# Allegro board Learn.brd (continued)
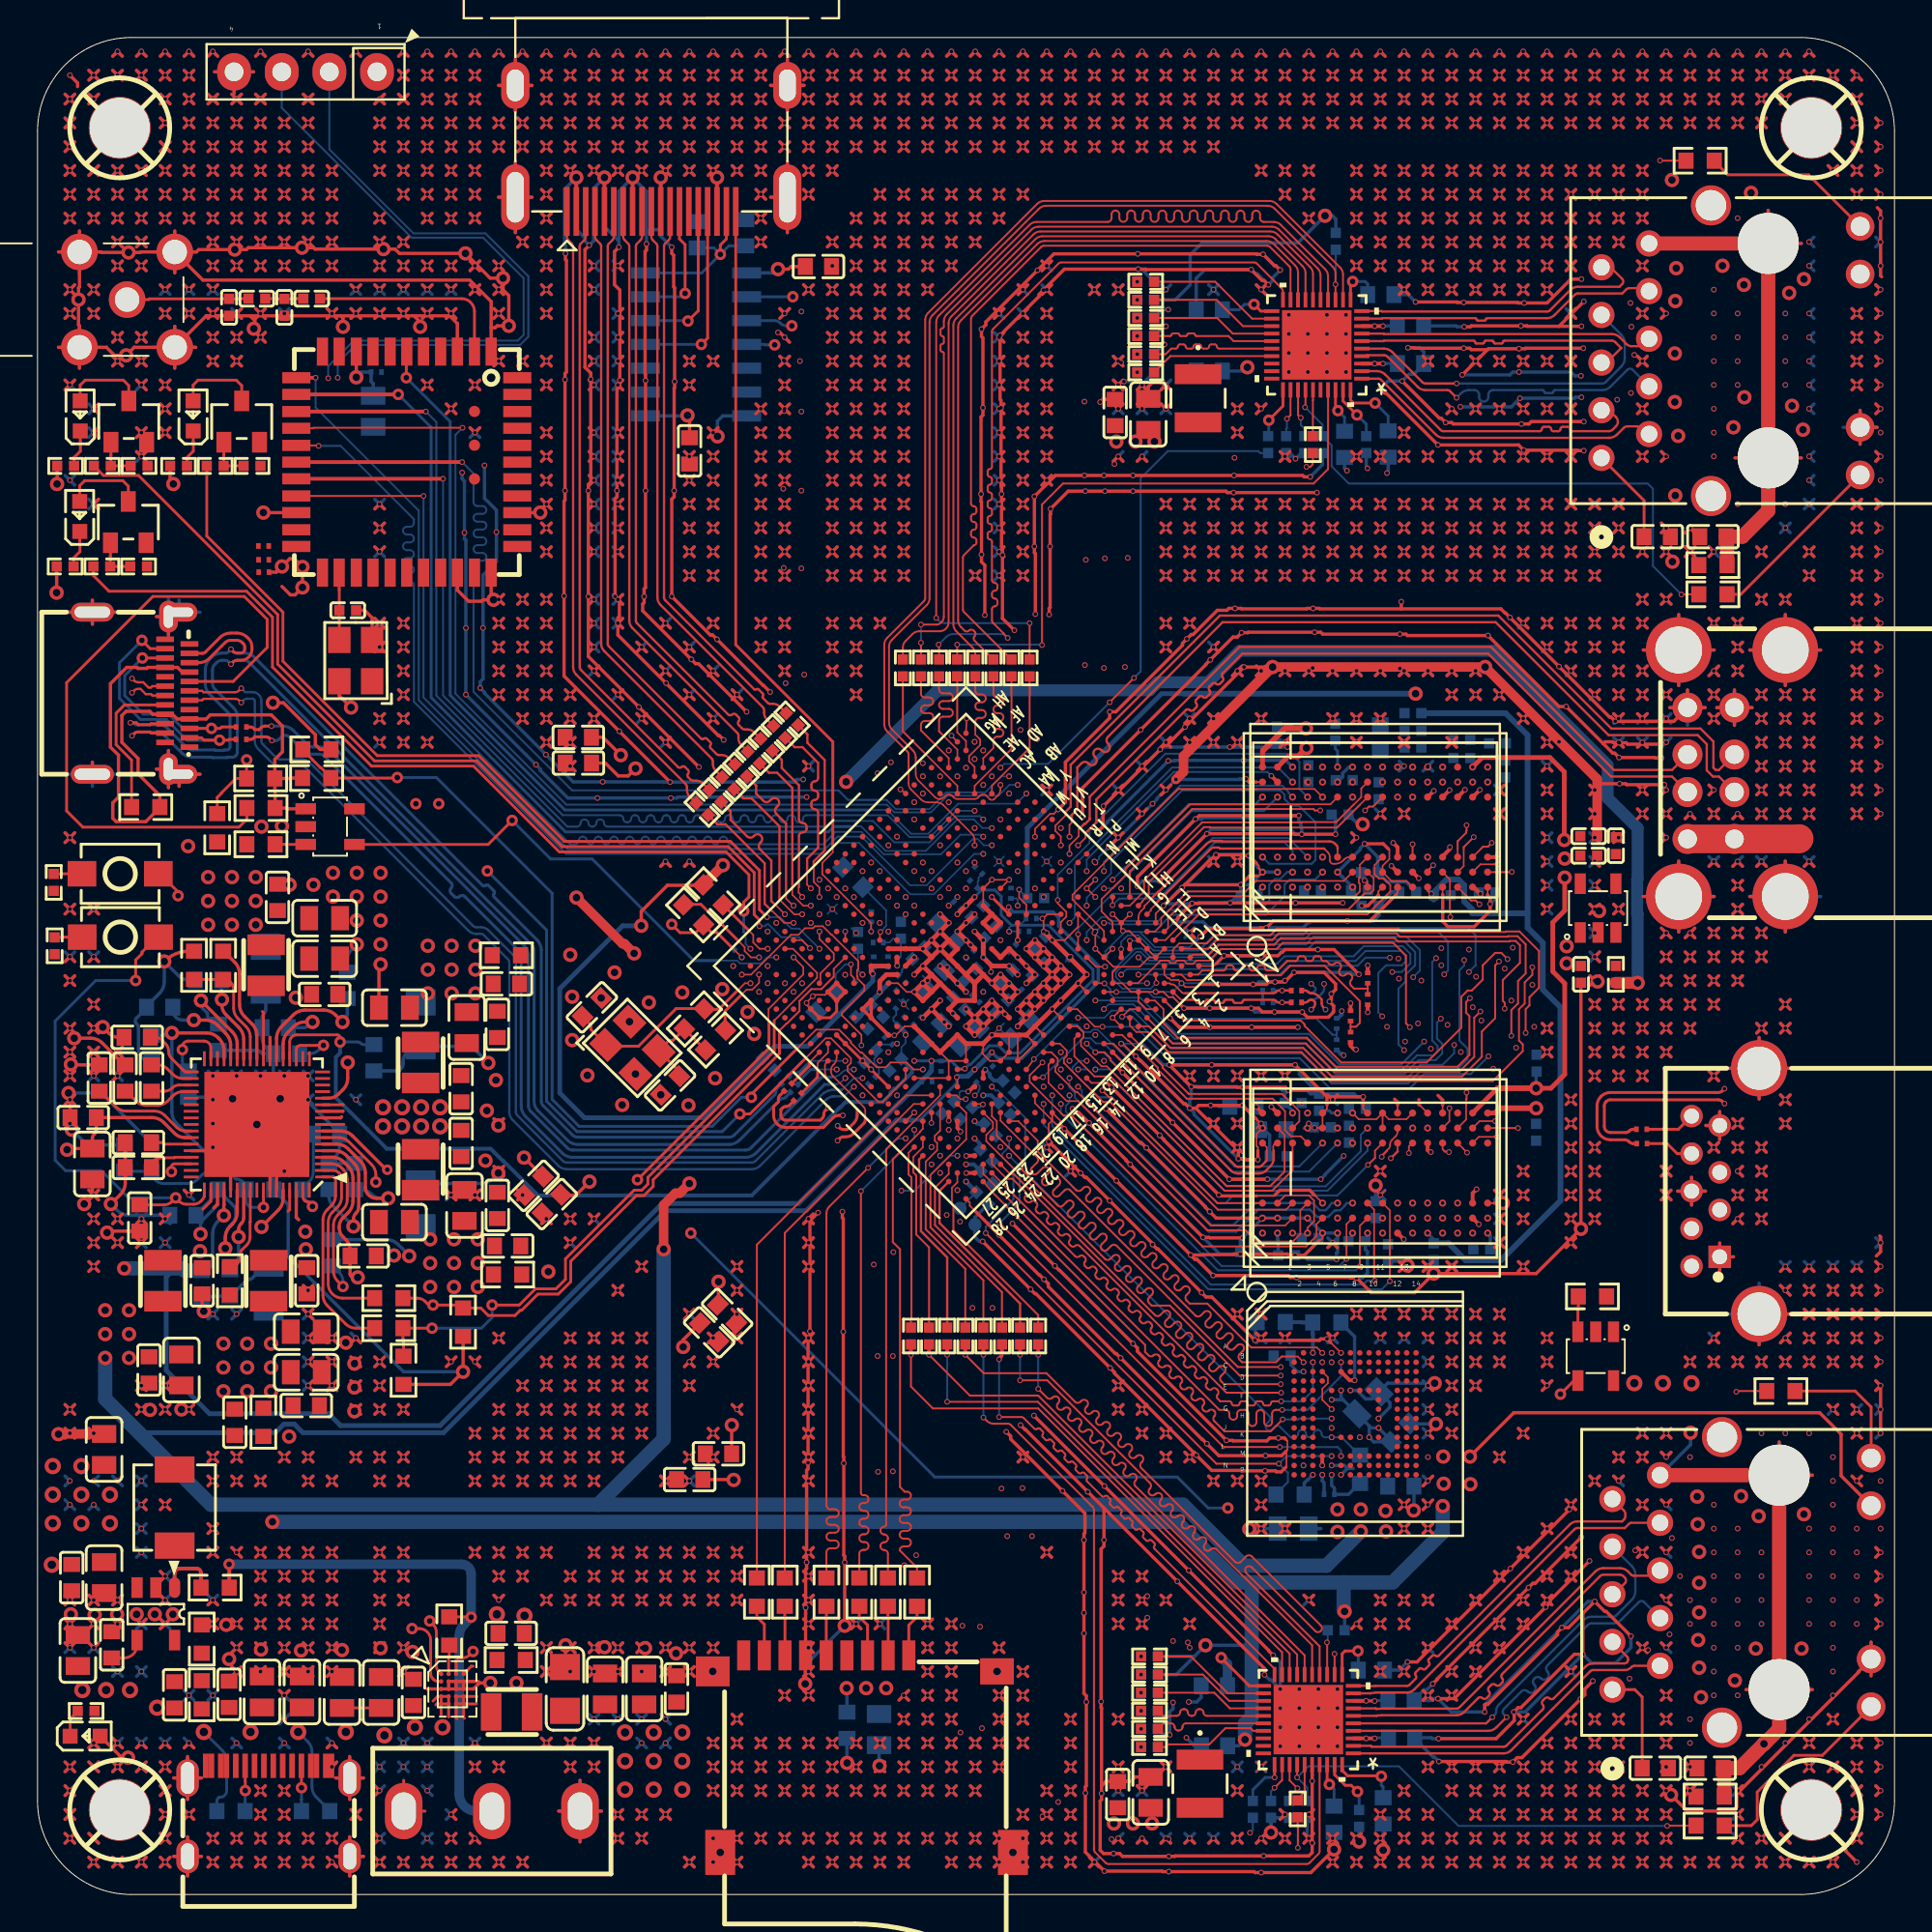
[diagram p0: board, top side]
## Routing (per net, layer and track width the routed paths; a pad name or vN(x,y) marks a point on that pad's centre or on a via; arc(x,y) is an arc through that point) (continued)
; v1(71.57,57.6) 71.83,57.35 ; v1(71.57,57.6) 71.32,57.86 ; v1(71.57,57.6) 71.83,57.86 ; v1(71.57,57.6) 71.32,57.35 ; 52.27,96.72 v1(52.52,96.97) ; v1(52.52,96.97) 52.78,97.23 ; v1(52.52,96.97) 52.27,97.23 ; v1(52.52,96.97) 52.78,96.72 ; v1(69.03,94.43) 69.29,94.18 ; v1(69.03,94.43) 68.78,94.18 ; v1(69.03,94.43) 68.78,94.69 ; v1(69.03,94.43) 69.29,94.69 ; 35.76,13.41 v1(36.01,13.15) ; v1(36.01,13.15) 36.27,12.9 ; v1(36.01,13.15) 36.27,13.41 ; v1(36.01,13.15) 35.76,12.9 ; 62.43,70.56 v1(62.68,70.3) ; v1(62.68,70.3) 62.43,70.05 ; v1(62.68,70.3) 62.94,70.56 ; v1(62.68,70.3) 62.94,70.05 ; 20.52,6.55 v1(20.77,6.8) ; v1(20.77,6.8) 20.52,7.06 ; v1(20.77,6.8) 21.03,6.55 ; v1(20.77,6.8) 21.03,7.06 ; 31.95,26.87 v1(32.2,27.12) ; v1(32.2,27.12) 32.46,26.87 ; v1(32.2,27.12) 32.46,27.38 ; v1(32.2,27.12) 31.95,27.38 ; 25.6,17.98 v1(25.85,18.23) ; v1(25.85,18.23) 26.11,18.49 ; v1(25.85,18.23) 26.11,17.98 ; v1(25.85,18.23) 25.6,18.49 ; v1(74.11,86.81) 74.37,86.56 ; v1(74.11,86.81) 74.37,87.07 ; v1(74.11,86.81) 73.86,86.56 ; v1(74.11,86.81) 73.86,87.07 ; 37.03,31.95 v1(37.28,32.2) ; v1(37.28,32.2) 37.54,31.95 ; v1(37.28,32.2) 37.54,32.46 ; v1(37.28,32.2) 37.03,32.46 ; v1(18.23,28.39) 18.49,28.65 ; v1(18.23,28.39) 18.49,28.14 ; v1(18.23,28.39) 17.98,28.14 ; v1(18.23,28.39) 17.98,28.65 ; 84.02,73.1 v1(84.27,72.84) ; v1(84.27,72.84) 84.53,72.59 ; v1(84.27,72.84) 84.53,73.1 ; v1(84.27,72.84) 84.02,72.59 ; v1(71.57,71.57) 71.83,71.32 ; v1(71.57,71.57) 71.32,71.32 ; v1(71.57,71.57) 71.32,71.83 ; v1(71.57,71.57) 71.83,71.83 ; 4.01,11.63 v1(4.26,11.88) ; v1(4.26,11.88) 4.01,12.14 ; v1(4.26,11.88) 4.52,11.63 ; v1(4.26,11.88) 4.52,12.14 ; v1(37.28,95.7) 37.54,95.45 ; v1(37.28,95.7) 37.03,95.45 ; v1(37.28,95.7) 37.54,95.96 ; v1(37.28,95.7) 37.03,95.96 ; 10.36,81.48 v1(10.61,81.73) ; v1(10.61,81.73) 10.87,81.48 ; v1(10.61,81.73) 10.87,81.99 ; v1(10.61,81.73) 10.36,81.99 ; U21.7 88.17,38.23 ; U21.7 88.17,36.75 ; U21.7 87.43,37.49 ; U21.7 88.91,37.49 ; v1(43.63,75.38) 43.89,75.64 ; v1(43.63,75.38) 43.38,75.64 ; v1(43.63,75.38) 43.38,75.13 ; v1(43.63,75.38) 43.89,75.13 ; v1(46.17,93.16) 46.43,93.42 ; v1(46.17,93.16) 45.92,93.42 ; v1(46.17,93.16) 45.92,92.91 ; v1(46.17,93.16) 46.43,92.91 ; v1(43.63,71.57) 43.89,71.83 ; v1(43.63,71.57) 43.38,71.32 ; v1(43.63,71.57) 43.38,71.83 ; v1(43.63,71.57) 43.89,71.32 ; 52.27,76.4 v1(52.52,76.65) ; v1(52.52,76.65) 52.27,76.91 ; v1(52.52,76.65) 52.78,76.4 ; v1(52.52,76.65) 52.78,76.91 ; v1(29.66,9.34) 29.92,9.6 ; v1(29.66,9.34) 29.92,9.09 ; v1(29.66,9.34) 29.41,9.09 ; v1(29.66,9.34) 29.41,9.6 ; v1(51.25,71.57) 51.51,71.32 ; v1(51.25,71.57) 51,71.32 ; v1(51.25,71.57) 51.51,71.83 ; v1(51.25,71.57) 51,71.83 ; 73.86,89.1 v1(74.11,89.35) ; v1(74.11,89.35) 74.37,89.1 ; v1(74.11,89.35) 74.37,89.61 ; v1(74.11,89.35) 73.86,89.61 ; 72.59,70.56 v1(72.84,70.3) ; v1(72.84,70.3) 73.1,70.56 ; v1(72.84,70.3) 72.59,70.05 ; v1(72.84,70.3) 73.1,70.05 ; 6.55,4.52 v1(6.8,4.26) ; v1(6.8,4.26) 7.06,4.52 ; v1(6.8,4.26) 6.55,4.01 ; v1(6.8,4.26) 7.06,4.01 ; 72.59,4.01 v1(72.84,4.26) ; v1(72.84,4.26) 72.59,4.52 ; v1(72.84,4.26) 73.1,4.01 ; v1(72.84,4.26) 73.1,4.52 ; v1(90.62,41.09) 90.88,40.84 ; v1(90.62,41.09) 90.88,41.35 ; v1(90.62,41.09) 90.37,40.84 ; v1(90.62,41.09) 90.37,41.35 ; v1(77.92,13.15) 78.18,12.9 ; v1(77.92,13.15) 77.67,12.9 ; v1(77.92,13.15) 77.67,13.41 ; v1(77.92,13.15) 78.18,13.41 ; v1(18.23,61.41) 18.49,61.67 ; v1(18.23,61.41) 18.49,61.16 ; v1(18.23,61.41) 17.98,61.16 ; v1(18.23,61.41) 17.98,61.67 ; v1(72.84,85.54) 73.1,85.29 ; v1(72.84,85.54) 72.59,85.29 ; v1(72.84,85.54) 72.59,85.8 ; v1(72.84,85.54) 73.1,85.8 ; 11.63,12.14 v1(11.88,11.88) ; v1(11.88,11.88) 12.14,12.14 ; v1(11.88,11.88) 12.14,11.63 ; v1(11.88,11.88) 11.63,11.63 ; v1(77.92,37.28) 78.18,37.03 ; v1(77.92,37.28) 78.18,37.54 ; v1(77.92,37.28) 77.67,37.54 ; v1(77.92,37.28) 77.67,37.03 ; 12.9,15.44 v1(13.15,15.69) ; v1(13.15,15.69) 13.41,15.95 ; v1(13.15,15.69) 12.9,15.95 ; v1(13.15,15.69) 13.41,15.44 ; v1(98.24,71.57) 98.5,71.32 ; v1(98.24,71.57) 98.5,71.83 ; v1(98.24,71.57) 97.99,71.32 ; v1(98.24,71.57) 97.99,71.83 ; 21.79,95.96 v1(22.04,95.7) ; v1(22.04,95.7) 22.3,95.96 ; v1(22.04,95.7) 22.3,95.45 ; v1(22.04,95.7) 21.79,95.45 ; 20.52,5.28 v1(20.77,5.53) ; v1(20.77,5.53) 20.52,5.79 ; v1(20.77,5.53) 21.03,5.28 ; v1(20.77,5.53) 21.03,5.79 ; 39.57,83.26 v1(39.82,83) 40.08,82.75 ; 5.28,97.23 v1(5.53,96.97) ; v1(5.53,96.97) 5.79,97.23 ; v1(5.53,96.97) 5.79,96.72 ; v1(5.53,96.97) 5.28,96.72 ; v1(37.28,1.72) 37.54,1.98 ; v1(37.28,1.72) 37.03,1.98 ; v1(37.28,1.72) 37.03,1.47 ; v1(37.28,1.72) 37.54,1.47 ; 82.75,97.99 v1(83,98.24) ; v1(83,98.24) 82.75,98.5 ; v1(83,98.24) 83.26,97.99 ; v1(83,98.24) 83.26,98.5 ; 63.7,3.25 v1(63.95,2.99) ; v1(63.95,2.99) 64.21,3.25 ; v1(63.95,2.99) 63.7,2.74 ; v1(63.95,2.99) 64.21,2.74 ; 62.43,71.32 v1(62.68,71.57) ; v1(62.68,71.57) 62.94,71.83 ; v1(62.68,71.57) 62.43,71.83 ; v1(62.68,71.57) 62.94,71.32 ; v1(4.26,98.24) 4.52,97.99 ; v1(4.26,98.24) 4.52,98.5 ; v1(4.26,98.24) 4.01,97.99 ; v1(37.28,94.43) 37.54,94.18 ; v1(37.28,94.43) 37.54,94.69 ; v1(37.28,94.43) 37.03,94.69 ; v1(37.28,94.43) 37.03,94.18 ; v1(27.12,84.27) 27.38,84.53 ; v1(27.12,84.27) 26.87,84.02 ; v1(27.12,84.27) 26.87,84.53 ; v1(27.12,84.27) 27.38,84.02 ; v1(81.73,18.23) 81.99,17.98 ; v1(81.73,18.23) 81.48,18.49 ; v1(81.73,18.23) 81.48,17.98 ; v1(81.73,18.23) 81.99,18.49 ; 80.21,76.4 v1(80.46,76.65) ; v1(80.46,76.65) 80.21,76.91 ; v1(80.46,76.65) 80.72,76.91 ; v1(80.46,76.65) 80.72,76.4 ; v1(84.27,1.72) 84.53,1.47 ; v1(84.27,1.72) 84.02,1.47 ; v1(84.27,1.72) 84.02,1.98 ; v1(84.27,1.72) 84.53,1.98 ; v1(63.95,74.11) 64.21,73.86 ; v1(63.95,74.11) 63.7,74.37 ; v1(63.95,74.11) 64.21,74.37 ; v1(63.95,74.11) 63.7,73.86 ; 5.28,80.72 v1(5.53,80.46) ; v1(5.53,80.46) 5.28,80.21 ; v1(5.53,80.46) 5.79,80.72 ; v1(5.53,80.46) 5.79,80.21 ; 62.43,74.37 v1(62.68,74.11) ; v1(62.68,74.11) 62.94,73.86 ; v1(62.68,74.11) 62.94,74.37 ; v1(62.68,74.11) 62.43,73.86 ; 84.02,43.89 v1(84.27,43.63) ; v1(84.27,43.63) 84.53,43.38 ; v1(84.27,43.63) 84.02,43.38 ; v1(84.27,43.63) 84.53,43.89 ; 44.65,73.1 v1(44.9,72.84) ; v1(44.9,72.84) 45.16,72.59 ; v1(44.9,72.84) 44.65,72.59 ; v1(44.9,72.84) 45.16,73.1 ; v1(77.92,57.6) 78.18,57.35 ; v1(77.92,57.6) 77.67,57.35 ; v1(77.92,57.6) 78.18,57.86 ; v1(77.92,57.6) 77.67,57.86 ; 30.68,26.87 v1(30.93,27.12) ; v1(30.93,27.12) 30.68,27.38 ; v1(30.93,27.12) 31.19,26.87 ; v1(30.93,27.12) 31.19,27.38 ; 17.98,84.53 v1(18.23,84.27) ; v1(18.23,84.27) 18.49,84.02 ; v1(18.23,84.27) 17.98,84.02 ; v1(18.23,84.27) 18.49,84.53 ; v1(76.65,90.62) 76.91,90.88 ; v1(76.65,90.62) 76.4,90.88 ; v1(76.65,90.62) 76.4,90.37 ; v1(76.65,90.62) 76.91,90.37 ; 86.56,17.98 v1(86.81,18.23) ; v1(86.81,18.23) 87.07,18.49 ; v1(86.81,18.23) 87.07,17.98 ; v1(86.81,18.23) 86.56,18.49 ; 42.11,71.83 v1(42.36,71.57) ; v1(42.36,71.57) 42.62,71.32 ; v1(42.36,71.57) 42.62,71.83 ; v1(42.36,71.57) 42.11,71.32 ; v1(53.79,2.99) 54.05,2.74 ; v1(53.79,2.99) 53.54,3.25 ; v1(53.79,2.99) 53.54,2.74 ; v1(53.79,2.99) 54.05,3.25 ; 58.62,97.23 v1(58.87,96.97) ; v1(58.87,96.97) 59.13,96.72 ; v1(58.87,96.97) 59.13,97.23 ; v1(58.87,96.97) 58.62,96.72 ; v1(70.3,2.99) 70.56,2.74 ; v1(70.3,2.99) 70.56,3.25 ; v1(70.3,2.99) 70.05,2.74 ; v1(70.3,2.99) 70.05,3.25 ; 23.06,37.54 v1(23.31,37.28) ; v1(23.31,37.28) 23.57,37.03 ; v1(23.31,37.28) 23.57,37.54 ; v1(23.31,37.28) 23.06,37.03 ; 17.98,68.02 v1(18.23,67.76) ; v1(18.23,67.76) 18.49,68.02 ; v1(18.23,67.76) 17.98,67.51 ; v1(18.23,67.76) 18.49,67.51 ; v1(85.54,86.81) 85.8,86.56 ; v1(85.54,86.81) 85.29,86.56 ; v1(85.54,86.81) 85.8,87.07 ; v1(85.54,86.81) 85.29,87.07 ; 80.21,19.76 v1(80.46,19.5) ; v1(80.46,19.5) 80.72,19.76 ; v1(80.46,19.5) 80.21,19.25 ; v1(80.46,19.5) 80.72,19.25 ; 81.48,6.55 v1(81.73,6.8) ; v1(81.73,6.8) 81.48,7.06 ; v1(81.73,6.8) 81.99,7.06 ; v1(81.73,6.8) 81.99,6.55 ; 66.24,73.1 v1(66.49,72.84) ; v1(66.49,72.84) 66.24,72.59 ; v1(66.49,72.84) 66.75,72.59 ; v1(66.49,72.84) 66.75,73.1 ; v1(36.01,5.53) 36.27,5.79 ; v1(36.01,5.53) 36.27,5.28 ; v1(36.01,5.53) 35.76,5.28 ; v1(36.01,5.53) 35.76,5.79 ; 96.72,84.53 v1(96.97,84.27) ; v1(96.97,84.27) 97.23,84.02 ; v1(96.97,84.27) 96.72,84.02 ; v1(96.97,84.27) 97.23,84.53 ; 30.68,17.22 v1(30.93,16.96) ; v1(30.93,16.96) 31.19,16.71 ; v1(30.93,16.96) 30.68,16.71 ; v1(30.93,16.96) 31.19,17.22 ; 78.94,78.94 v1(79.19,79.19) ; v1(79.19,79.19) 79.45,78.94 ; v1(79.19,79.19) 79.45,79.45 ; v1(79.19,79.19) 78.94,79.45 ; 85.29,94.18 v1(85.54,94.43) ; v1(85.54,94.43) 85.8,94.69 ; v1(85.54,94.43) 85.29,94.69 ; v1(85.54,94.43) 85.8,94.18 ; 97.99,32.46 v1(98.24,32.2) ; v1(98.24,32.2) 97.99,31.95 ; v1(98.24,32.2) 98.5,32.46 ; v1(98.24,32.2) 98.5,31.95 ; 77.67,73.1 v1(77.92,72.84) ; v1(77.92,72.84) 78.18,73.1 ; v1(77.92,72.84) 77.67,72.59 ; v1(77.92,72.84) 78.18,72.59 ; 17.98,5.79 v1(18.23,5.53) ; v1(18.23,5.53) 18.49,5.28 ; v1(18.23,5.53) 18.49,5.79 ; v1(18.23,5.53) 17.98,5.28 ; v1(48.71,11.88) 48.97,11.63 ; v1(48.71,11.88) 48.97,12.14 ; v1(48.71,11.88) 48.46,12.14 ; v1(48.71,11.88) 48.46,11.63 ; v1(91.89,62.68) 92.15,62.43 ; v1(91.89,62.68) 91.64,62.43 ; v1(91.89,62.68) 92.15,62.94 ; v1(91.89,62.68) 91.64,62.94 ; v1(58.87,98.24) 59.13,98.5 ; v1(58.87,98.24) 58.62,97.99 ; v1(58.87,98.24) 59.13,97.99 ; v1(58.87,98.24) 58.62,98.5 ; 57.35,2.74 v1(57.6,2.99) ; v1(57.6,2.99) 57.86,3.25 ; v1(57.6,2.99) 57.86,2.74 ; 95.45,33.22 v1(95.7,33.47) ; v1(95.7,33.47) 95.96,33.22 ; v1(95.7,33.47) 95.96,33.73 ; v1(95.7,33.47) 95.45,33.73 ; v1(36.01,1.72) 36.27,1.47 ; v1(36.01,1.72) 35.76,1.98 ; v1(36.01,1.72) 35.76,1.47 ; v1(36.01,1.72) 36.27,1.98 ; 35.76,71.83 v1(36.01,71.57) ; v1(36.01,71.57) 35.76,71.32 ; v1(36.01,71.57) 36.27,71.83 ; v1(36.01,71.57) 36.27,71.32 ; v1(9.34,41.09) 9.6,40.84 ; v1(9.34,41.09) 9.6,41.35 ; v1(9.34,41.09) 9.09,40.84 ; v1(9.34,41.09) 9.09,41.35 ; v1(85.54,71.57) 85.8,71.83 ; v1(85.54,71.57) 85.8,71.32 ; v1(85.54,71.57) 85.29,71.32 ; v1(85.54,71.57) 85.29,71.83 ; v1(51.25,84.27) 51.51,84.53 ; v1(51.25,84.27) 51,84.53 ; v1(51.25,84.27) 51.51,84.02 ; v1(51.25,84.27) 51,84.02 ; v1(24.58,16.96) 24.84,17.22 ; v1(24.58,16.96) 24.84,16.71 ; v1(24.58,16.96) 24.33,17.22 ; v1(24.58,16.96) 24.33,16.71 ; 82.75,21.79 v1(83,22.04) ; v1(83,22.04) 83.26,22.3 ; v1(83,22.04) 82.75,22.3 ; v1(83,22.04) 83.26,21.79 ; v1(32.2,62.68) 32.46,62.43 ; v1(32.2,62.68) 31.95,62.43 ; v1(32.2,62.68) 32.46,62.94 ; v1(32.2,62.68) 31.95,62.94 ; U22.1 2.24,83.59 ; U22.1 2.24,81.36 ; U22.1 3.35,82.47 ; U22.1 1.12,82.47 ; v1(24.58,85.54) 24.84,85.29 ; v1(24.58,85.54) 24.84,85.8 ; v1(24.58,85.54) 24.33,85.29 ; v1(24.58,85.54) 24.33,85.8 ; 1.47,56.08 v1(1.72,56.33) ; v1(1.72,56.33) 1.98,56.59 ; v1(1.72,56.33) 1.47,56.59 ; v1(1.72,56.33) 1.98,56.08 ; 68.78,71.32 v1(69.03,71.57) ; v1(69.03,71.57) 69.29,71.32 ; v1(69.03,71.57) 69.29,71.83 ; v1(69.03,71.57) 68.78,71.83 ; v1(69.03,42.36) 69.29,42.62 ; v1(69.03,42.36) 68.78,42.11 ; v1(69.03,42.36) 69.29,42.11 ; v1(69.03,42.36) 68.78,42.62 ; v1(33.47,22.04) 33.73,22.3 ; v1(33.47,22.04) 33.22,22.3 ; v1(33.47,22.04) 33.22,21.79 ; v1(33.47,22.04) 33.73,21.79 ; v1(63.95,43.63) 64.21,43.38 ; v1(63.95,43.63) 63.7,43.89 ; v1(63.95,43.63) 64.21,43.89 ; v1(63.95,43.63) 63.7,43.38 ; v1(5.53,25.85) 5.79,25.6 ; v1(5.53,25.85) 5.79,26.11 ; v1(5.53,25.85) 5.28,26.11 ; v1(5.53,25.85) 5.28,25.6 ; 72.59,20.52 v1(72.84,20.77) ; v1(72.84,20.77) 72.59,21.03 ; v1(72.84,20.77) 73.1,20.52 ; v1(72.84,20.77) 73.1,21.03 ; 84.02,45.16 v1(84.27,44.9) ; v1(84.27,44.9) 84.02,44.65 ; v1(84.27,44.9) 84.53,45.16 ; v1(84.27,44.9) 84.53,44.65 ; 39.57,72.59 v1(39.82,72.84) ; v1(39.82,72.84) 40.08,72.59 ; v1(39.82,72.84) 40.08,73.1 ; v1(39.82,72.84) 39.57,73.1 ; v1(43.63,80.46) 43.89,80.72 ; v1(43.63,80.46) 43.38,80.21 ; v1(43.63,80.46) 43.89,80.21 ; v1(43.63,80.46) 43.38,80.72 ; 9.09,90.37 v1(9.34,90.62) ; v1(9.34,90.62) 9.09,90.88 ; v1(9.34,90.62) 9.6,90.88 ; v1(9.34,90.62) 9.6,90.37 ; v1(80.46,72.84) 80.72,73.1 ; v1(80.46,72.84) 80.21,72.59 ; v1(80.46,72.84) 80.72,72.59 ; v1(80.46,72.84) 80.21,73.1 ; 67.51,95.45 v1(67.76,95.7) ; v1(67.76,95.7) 68.02,95.45 ; v1(67.76,95.7) 68.02,95.96 ; v1(67.76,95.7) 67.51,95.96 ; 21.79,97.99 v1(22.04,98.24) ; v1(22.04,98.24) 21.79,98.5 ; v1(22.04,98.24) 22.3,97.99 ; v1(22.04,98.24) 22.3,98.5 ; 16.71,26.11 v1(16.96,25.85) ; v1(16.96,25.85) 17.22,25.6 ; v1(16.96,25.85) 16.71,25.6 ; v1(16.96,25.85) 17.22,26.11 ; v1(84.27,71.57) 84.53,71.32 ; v1(84.27,71.57) 84.02,71.83 ; v1(84.27,71.57) 84.53,71.83 ; v1(84.27,71.57) 84.02,71.32 ; v1(41.09,14.42) 41.35,14.68 ; v1(41.09,14.42) 40.84,14.17 ; v1(41.09,14.42) 40.84,14.68 ; v1(41.09,14.42) 41.35,14.17 ; v1(91.89,71.57) 92.15,71.32 ; v1(91.89,71.57) 92.15,71.83 ; v1(91.89,71.57) 91.64,71.32 ; v1(91.89,71.57) 91.64,71.83 ; 44.65,94.18 v1(44.9,94.43) ; v1(44.9,94.43) 45.16,94.18 ; v1(44.9,94.43) 44.65,94.69 ; v1(44.9,94.43) 45.16,94.69 ; v1(75.38,81.73) 75.64,81.48 ; v1(75.38,81.73) 75.13,81.99 ; v1(75.38,81.73) 75.13,81.48 ; v1(75.38,81.73) 75.64,81.99 ; 72.59,88.34 v1(72.84,88.08) ; v1(72.84,88.08) 73.1,88.34 ; v1(72.84,88.08) 72.59,87.83 ; v1(72.84,88.08) 73.1,87.83 ; v1(67.76,98.24) 68.02,97.99 ; v1(67.76,98.24) 67.51,97.99 ; v1(67.76,98.24) 68.02,98.5 ; v1(67.76,98.24) 67.51,98.5 ; v1(76.65,95.7) 76.91,95.45 ; v1(76.65,95.7) 76.4,95.96 ; v1(76.65,95.7) 76.4,95.45 ; v1(76.65,95.7) 76.91,95.96 ; v1(38.55,89.35) 38.81,89.61 ; v1(38.55,89.35) 38.3,89.1 ; v1(38.55,89.35) 38.81,89.1 ; v1(38.55,89.35) 38.3,89.61 ; 56.08,93.42 v1(56.33,93.16) ; v1(56.33,93.16) 56.59,92.91 ; v1(56.33,93.16) 56.08,92.91 ; v1(56.33,93.16) 56.59,93.42 ; 30.68,77.67 v1(30.93,77.92) ; v1(30.93,77.92) 31.19,77.67 ; v1(30.93,77.92) 31.19,78.18 ; v1(30.93,77.92) 30.68,78.18 ; v1(29.66,25.85) 29.92,26.11 ; v1(29.66,25.85) 29.41,26.11 ; v1(29.66,25.85) 29.41,25.6 ; v1(29.66,25.85) 29.92,25.6 ; 11.63,14.17 v1(11.88,14.42) ; v1(11.88,14.42) 12.14,14.17 ; v1(11.88,14.42) 12.14,14.68 ; v1(11.88,14.42) 11.63,14.68 ; v1(77.92,6.8) 78.18,7.06 ; v1(77.92,6.8) 77.67,6.55 ; v1(77.92,6.8) 77.67,7.06 ; v1(77.92,6.8) 78.18,6.55 ; v1(83,48.71) 83.26,48.46 ; v1(83,48.71) 82.75,48.97 ; v1(83,48.71) 83.26,48.97 ; v1(83,48.71) 82.75,48.46 ; 77.67,29.41 v1(77.92,29.66) ; v1(77.92,29.66) 78.18,29.41 ; v1(77.92,29.66) 78.18,29.92 ; v1(77.92,29.66) 77.67,29.92 ; 24.33,38.3 v1(24.58,38.55) ; v1(24.58,38.55) 24.84,38.3 ; v1(24.58,38.55) 24.33,38.81 ; v1(24.58,38.55) 24.84,38.81 ; 80.21,71.83 v1(80.46,71.57) ; v1(80.46,71.57) 80.72,71.32 ; v1(80.46,71.57) 80.21,71.32 ; v1(80.46,71.57) 80.72,71.83 ; v1(52.52,2.99) 52.78,3.25 ; v1(52.52,2.99) 52.27,2.74 ; v1(52.52,2.99) 52.27,3.25 ; v1(52.52,2.99) 52.78,2.74 ; 44.65,89.1 v1(44.9,89.35) ; v1(44.9,89.35) 44.65,89.61 ; v1(44.9,89.35) 45.16,89.61 ; v1(44.9,89.35) 45.16,89.1 ; v1(34.74,80.46) 35,80.72 ; v1(34.74,80.46) 35,80.21 ; v1(34.74,80.46) 34.49,80.72 ; v1(34.74,80.46) 34.49,80.21 ; 57.35,79.45 v1(57.6,79.19) ; v1(57.6,79.19) 57.35,78.94 ; v1(57.6,79.19) 57.86,79.45 ; v1(57.6,79.19) 57.86,78.94 ; 86.56,48.97 v1(86.81,48.71) ; v1(86.81,48.71) 87.07,48.97 ; v1(86.81,48.71) 87.07,48.46 ; v1(86.81,48.71) 86.56,48.46 ; v1(77.92,5.53) 78.18,5.79 ; v1(77.92,5.53) 78.18,5.28 ; v1(77.92,5.53) 77.67,5.28 ; v1(77.92,5.53) 77.67,5.79 ; 7.82,85.29 v1(8.07,85.54) ; v1(8.07,85.54) 8.33,85.8 ; v1(8.07,85.54) 7.82,85.8 ; v1(8.07,85.54) 8.33,85.29 ; v1(41.09,10.61) 41.35,10.36 ; v1(41.09,10.61) 40.84,10.36 ; v1(41.09,10.61) 40.84,10.87 ; v1(41.09,10.61) 41.35,10.87 ; v1(47.44,9.34) 47.7,9.6 ; v1(47.44,9.34) 47.7,9.09 ; v1(47.44,9.34) 47.19,9.6 ; v1(47.44,9.34) 47.19,9.09 ; v1(25.85,98.24) 26.11,98.5 ; v1(25.85,98.24) 26.11,97.99 ; v1(25.85,98.24) 25.6,97.99 ; v1(25.85,98.24) 25.6,98.5 ; 42.11,95.96 v1(42.36,95.7) ; v1(42.36,95.7) 42.62,95.45 ; v1(42.36,95.7) 42.62,95.96 ; v1(42.36,95.7) 42.11,95.45 ; v1(36.01,62.68) 36.27,62.94 ; v1(36.01,62.68) 36.27,62.43 ; v1(36.01,62.68) 35.76,62.94 ; v1(36.01,62.68) 35.76,62.43 ; v1(42.36,8.07) 42.62,7.82 ; v1(42.36,8.07) 42.62,8.33 ; v1(42.36,8.07) 42.11,7.82 ; v1(42.36,8.07) 42.11,8.33 ; 90.13,30.94 U21.10 ; U21.10 93.41,30.94 ; U21.10 91.77,29.3 ; U21.10 91.77,32.58 ; 75.13,95.45 v1(75.38,95.7) ; v1(75.38,95.7) 75.13,95.96 ; v1(75.38,95.7) 75.64,95.96 ; v1(75.38,95.7) 75.64,95.45 ; v1(71.57,2.99) 71.83,2.74 ; v1(71.57,2.99) 71.32,2.74 ; v1(71.57,2.99) 71.32,3.25 ; v1(71.57,2.99) 71.83,3.25 ; 23.06,21.79 v1(23.31,22.04) ; v1(23.31,22.04) 23.57,21.79 ; v1(23.31,22.04) 23.57,22.3 ; v1(23.31,22.04) 23.06,22.3 ; 4.01,43.89 v1(4.26,43.63) ; v1(4.26,43.63) 4.52,43.89 ; v1(4.26,43.63) 4.01,43.38 ; v1(4.26,43.63) 4.52,43.38 ; 23.06,94.18 v1(23.31,94.43) ; v1(23.31,94.43) 23.57,94.69 ; v1(23.31,94.43) 23.06,94.69 ; v1(23.31,94.43) 23.57,94.18 ; 54.81,1.47 v1(55.06,1.72) ; v1(55.06,1.72) 54.81,1.98 ; v1(55.06,1.72) 55.32,1.98 ; v1(55.06,1.72) 55.32,1.47 ; v1(6.8,95.7) 7.06,95.45 ; v1(6.8,95.7) 6.55,95.45 ; v1(6.8,95.7) 7.06,95.96 ; v1(6.8,95.7) 6.55,95.96 ; v1(66.49,94.43) 66.75,94.69 ; v1(66.49,94.43) 66.75,94.18 ; v1(66.49,94.43) 66.24,94.18 ; v1(66.49,94.43) 66.24,94.69 ; v1(28.39,6.8) 28.65,7.06 ; v1(28.39,6.8) 28.65,6.55 ; v1(28.39,6.8) 28.14,7.06 ; v1(28.39,6.8) 28.14,6.55 ; v1(22.04,94.43) 22.3,94.69 ; v1(22.04,94.43) 21.79,94.69 ; v1(22.04,94.43) 21.79,94.18 ; v1(22.04,94.43) 22.3,94.18 ; 77.67,79.45 v1(77.92,79.19) ; v1(77.92,79.19) 78.18,78.94 ; v1(77.92,79.19) 78.18,79.45 ; v1(77.92,79.19) 77.67,78.94 ; v1(55.06,9.34) 55.32,9.6 ; v1(55.06,9.34) 54.81,9.09 ; v1(55.06,9.34) 55.32,9.09 ; v1(55.06,9.34) 54.81,9.6 ; v1(74.11,4.26) 74.37,4.52 ; v1(74.11,4.26) 73.86,4.52 ; v1(74.11,4.26) 74.37,4.01 ; v1(74.11,4.26) 73.86,4.01 ; 64.97,29.41 v1(65.22,29.66) ; v1(65.22,29.66) 65.48,29.41 ; v1(65.22,29.66) 64.97,29.92 ; v1(65.22,29.66) 65.48,29.92 ; 71.32,29.41 v1(71.57,29.66) ; v1(71.57,29.66) 71.83,29.41 ; v1(71.57,29.66) 71.32,29.92 ; v1(71.57,29.66) 71.83,29.92 ; v1(98.24,77.92) 98.5,77.67 ; v1(98.24,77.92) 98.5,78.18 ; v1(98.24,77.92) 97.99,77.67 ; v1(36.01,8.07) 36.27,8.33 ; v1(36.01,8.07) 36.27,7.82 ; v1(36.01,8.07) 35.76,7.82 ; v1(36.01,8.07) 35.76,8.33 ; 2.24,86.44 U22.4 ; U22.4 1.12,87.55 ; U22.4 3.35,87.55 ; U22.4 2.24,88.67 ; 6.55,80.21 v1(6.8,80.46) ; v1(6.8,80.46) 6.55,80.72 ; v1(6.8,80.46) 7.06,80.72 ; v1(6.8,80.46) 7.06,80.21 ; v1(29.66,95.7) 29.92,95.45 ; v1(29.66,95.7) 29.92,95.96 ; v1(29.66,95.7) 29.41,95.45 ; v1(29.66,95.7) 29.41,95.96 ; 53.54,1.47 v1(53.79,1.72) ; v1(53.79,1.72) 53.54,1.98 ; v1(53.79,1.72) 54.05,1.47 ; v1(53.79,1.72) 54.05,1.98 ; v1(83,51.25) 83.26,51 ; v1(83,51.25) 83.26,51.51 ; v1(83,51.25) 82.75,51.51 ; v1(83,51.25) 82.75,51 ; 77.67,89.61 v1(77.92,89.35) ; v1(77.92,89.35) 78.18,89.1 ; v1(77.92,89.35) 78.18,89.61 ; v1(77.92,89.35) 77.67,89.1 ; 96.72,71.83 v1(96.97,71.57) ; v1(96.97,71.57) 97.23,71.83 ; v1(96.97,71.57) 96.72,71.32 ; v1(96.97,71.57) 97.23,71.32 ; 58.62,14.17 v1(58.87,14.42) ; v1(58.87,14.42) 59.13,14.68 ; v1(58.87,14.42) 58.62,14.68 ; v1(58.87,14.42) 59.13,14.17 ; 26.87,62.94 v1(27.12,62.68) ; v1(27.12,62.68) 27.38,62.94 ; v1(27.12,62.68) 26.87,62.43 ; v1(27.12,62.68) 27.38,62.43 ; 63.7,70.56 v1(63.95,70.3) ; v1(63.95,70.3) 64.21,70.05 ; v1(63.95,70.3) 63.7,70.05 ; v1(63.95,70.3) 64.21,70.56 ; v1(28.39,62.68) 28.65,62.94 ; v1(28.39,62.68) 28.14,62.94 ; v1(28.39,62.68) 28.14,62.43 ; v1(28.39,62.68) 28.65,62.43 ; 26.87,24.33 v1(27.12,24.58) ; v1(27.12,24.58) 27.38,24.84 ; v1(27.12,24.58) 27.38,24.33 ; v1(27.12,24.58) 26.87,24.84 ; 91.64,39.57 v1(91.89,39.82) ; v1(91.89,39.82) 92.15,40.08 ; v1(91.89,39.82) 91.64,40.08 ; v1(91.89,39.82) 92.15,39.57 ; 85.29,95.45 v1(85.54,95.7) ; v1(85.54,95.7) 85.8,95.96 ; v1(85.54,95.7) 85.8,95.45 ; v1(85.54,95.7) 85.29,95.96 ; 28.14,97.99 v1(28.39,98.24) ; v1(28.39,98.24) 28.14,98.5 ; v1(28.39,98.24) 28.65,97.99 ; v1(28.39,98.24) 28.65,98.5 ; v1(89.35,58.87) 89.61,59.13 ; v1(89.35,58.87) 89.1,58.62 ; v1(89.35,58.87) 89.1,59.13 ; v1(89.35,58.87) 89.61,58.62 ; 19.25,95.45 v1(19.5,95.7) ; v1(19.5,95.7) 19.25,95.96 ; v1(19.5,95.7) 19.76,95.96 ; v1(19.5,95.7) 19.76,95.45 ; v1(13.15,2.99) 13.41,3.25 ; v1(13.15,2.99) 12.9,3.25 ; v1(13.15,2.99) 13.41,2.74 ; v1(13.15,2.99) 12.9,2.74 ; v1(80.46,46.17) 80.72,45.92 ; v1(80.46,46.17) 80.21,46.43 ; v1(80.46,46.17) 80.72,46.43 ; v1(80.46,46.17) 80.21,45.92 ; v1(90.62,94.43) 90.88,94.69 ; v1(90.62,94.43) 90.88,94.18 ; v1(90.62,94.43) 90.37,94.69 ; v1(90.62,94.43) 90.37,94.18 ; 80.21,94.69 v1(80.46,94.43) ; v1(80.46,94.43) 80.72,94.69 ; v1(80.46,94.43) 80.21,94.18 ; v1(80.46,94.43) 80.72,94.18 ; 33.22,92.91 v1(33.47,93.16) ; v1(33.47,93.16) 33.22,93.42 ; v1(33.47,93.16) 33.73,92.91 ; v1(33.47,93.16) 33.73,93.42 ; v1(79.19,33.47) 79.45,33.73 ; v1(79.19,33.47) 78.94,33.22 ; v1(79.19,33.47) 79.45,33.22 ; v1(79.19,33.47) 78.94,33.73 ; v1(58.87,76.65) 59.13,76.91 ; v1(58.87,76.65) 58.62,76.4 ; v1(58.87,76.65) 59.13,76.4 ; 51,6.55 v1(51.25,6.8) ; v1(51.25,6.8) 51.51,6.55 ; v1(51.25,6.8) 51,7.06 ; v1(51.25,6.8) 51.51,7.06 ; 82.75,88.34 v1(83,88.08) ; v1(83,88.08) 83.26,88.34 ; v1(83,88.08) 83.26,87.83 ; v1(83,88.08) 82.75,87.83 ; v1(18.23,16.96) 18.49,17.22 ; v1(18.23,16.96) 17.98,17.22 ; v1(18.23,16.96) 18.49,16.71 ; v1(18.23,16.96) 17.98,16.71 ; v1(77.92,91.89) 78.18,92.15 ; v1(77.92,91.89) 77.67,91.64 ; v1(77.92,91.89) 78.18,91.64 ; v1(77.92,91.89) 77.67,92.15 ; v1(98.24,28.39) 98.5,28.14 ; v1(98.24,28.39) 97.99,28.65 ; v1(98.24,28.39) 98.5,28.65 ; v1(98.24,28.39) 97.99,28.14 ; v1(15.69,15.69) 15.95,15.95 ; v1(15.69,15.69) 15.95,15.44 ; v1(15.69,15.69) 15.44,15.95 ; v1(15.69,15.69) 15.44,15.44 ; 19.25,92.91 v1(19.5,93.16) ; v1(19.5,93.16) 19.76,93.42 ; v1(19.5,93.16) 19.76,92.91 ; v1(19.5,93.16) 19.25,93.42 ; 92.91,32.46 v1(93.16,32.2) ; v1(93.16,32.2) 93.42,32.46 ; v1(93.16,32.2) 93.42,31.95 ; 63.7,78.94 v1(63.95,79.19) ; v1(63.95,79.19) 64.21,78.94 ; v1(63.95,79.19) 63.7,79.45 ; v1(63.95,79.19) 64.21,79.45 ; 92.91,63.7 v1(93.16,63.95) ; v1(93.16,63.95) 93.42,64.21 ; v1(93.16,63.95) 93.42,63.7 ; v1(93.16,63.95) 92.91,64.21 ; v1(29.66,15.69) 29.92,15.95 ; v1(29.66,15.69) 29.41,15.44 ; v1(29.66,15.69) 29.41,15.95 ; v1(29.66,15.69) 29.92,15.44 ; 89.1,95.96 v1(89.35,95.7) ; v1(89.35,95.7) 89.1,95.45 ; v1(89.35,95.7) 89.61,95.96 ; v1(89.35,95.7) 89.61,95.45 ; 47.19,89.1 v1(47.44,89.35) ; v1(47.44,89.35) 47.7,89.1 ; v1(47.44,89.35) 47.19,89.61 ; v1(47.44,89.35) 47.7,89.61 ; 5.28,90.37 v1(5.53,90.62) ; v1(5.53,90.62) 5.79,90.37 ; v1(5.53,90.62) 5.79,90.88 ; v1(5.53,90.62) 5.28,90.88 ; v1(75.38,71.57) 75.64,71.32 ; v1(75.38,71.57) 75.13,71.32 ; v1(75.38,71.57) 75.13,71.83 ; v1(75.38,71.57) 75.64,71.83 ; 17.98,21.79 v1(18.23,22.04) ; v1(18.23,22.04) 18.49,22.3 ; v1(18.23,22.04) 17.98,22.3 ; v1(18.23,22.04) 18.49,21.79 ; 92.91,2.74 v1(93.16,2.99) ; v1(93.16,2.99) 93.42,2.74 ; v1(93.16,2.99) 92.91,3.25 ; v1(37.28,5.53) 37.54,5.28 ; v1(37.28,5.53) 37.54,5.79 ; v1(37.28,5.53) 37.03,5.79 ; v1(37.28,5.53) 37.03,5.28 ; v1(6.8,98.24) 7.06,98.5 ; v1(6.8,98.24) 6.55,97.99 ; v1(6.8,98.24) 6.55,98.5 ; v1(6.8,98.24) 7.06,97.99 ; 30.68,97.99 v1(30.93,98.24) ; v1(30.93,98.24) 31.19,98.5 ; v1(30.93,98.24) 30.68,98.5 ; v1(30.93,98.24) 31.19,97.99 ; v1(52.52,11.88) 52.78,11.63 ; v1(52.52,11.88) 52.27,11.63 ; v1(52.52,11.88) 52.78,12.14 ; v1(52.52,11.88) 52.27,12.14 ; v1(22.04,37.28) 22.3,37.03 ; v1(22.04,37.28) 22.3,37.54 ; v1(22.04,37.28) 21.79,37.03 ; v1(22.04,37.28) 21.79,37.54 ; v1(27.12,74.11) 27.38,74.37 ; v1(27.12,74.11) 26.87,73.86 ; v1(27.12,74.11) 26.87,74.37 ; v1(27.12,74.11) 27.38,73.86 ; v1(86.81,23.31) 87.07,23.06 ; v1(86.81,23.31) 86.56,23.57 ; v1(86.81,23.31) 86.56,23.06 ; v1(86.81,23.31) 87.07,23.57 ; 2.74,84.02 v1(2.99,84.27) ; v1(2.99,84.27) 3.25,84.02 ; v1(2.99,84.27) 2.74,84.53 ; v1(2.99,84.27) 3.25,84.53 ; v1(27.12,72.84) 27.38,72.59 ; v1(27.12,72.84) 27.38,73.1 ; v1(27.12,72.84) 26.87,73.1 ; v1(27.12,72.84) 26.87,72.59 ; 29.41,82.75 v1(29.66,83) ; v1(29.66,83) 29.92,82.75 ; v1(29.66,83) 29.92,83.26 ; v1(29.66,83) 29.41,83.26 ; 76.4,71.83 v1(76.65,71.57) ; v1(76.65,71.57) 76.4,71.32 ; v1(76.65,71.57) 76.91,71.32 ; v1(76.65,71.57) 76.91,71.83 ; 42.11,97.99 v1(42.36,98.24) ; v1(42.36,98.24) 42.62,98.5 ; v1(42.36,98.24) 42.11,98.5 ; v1(42.36,98.24) 42.62,97.99 ; 7.82,4.01 v1(8.07,4.26) ; v1(8.07,4.26) 8.33,4.52 ; v1(8.07,4.26) 8.33,4.01 ; v1(8.07,4.26) 7.82,4.52 ; v1(6.8,25.85) 7.06,25.6 ; v1(6.8,25.85) 6.55,25.6 ; v1(6.8,25.85) 6.55,26.11 ; v1(6.8,25.85) 7.06,26.11 ; 6.55,2.74 v1(6.8,2.99) ; v1(6.8,2.99) 7.06,3.25 ; v1(6.8,2.99) 7.06,2.74 ; v1(6.8,2.99) 6.55,3.25 ; 38.3,90.37 v1(38.55,90.62) ; v1(38.55,90.62) 38.3,90.88 ; v1(38.55,90.62) 38.81,90.37 ; v1(38.55,90.62) 38.81,90.88 ; v1(8.07,96.97) 8.33,97.23 ; v1(8.07,96.97) 8.33,96.72 ; v1(8.07,96.97) 7.82,96.72 ; v1(8.07,96.97) 7.82,97.23 ; v1(14.42,42.36) 14.68,42.11 ; v1(14.42,42.36) 14.17,42.62 ; v1(14.42,42.36) 14.17,42.11 ; v1(14.42,42.36) 14.68,42.62 ; 14.17,95.96 v1(14.42,95.7) ; v1(14.42,95.7) 14.68,95.45 ; v1(14.42,95.7) 14.17,95.45 ; v1(14.42,95.7) 14.68,95.96 ; 72.59,90.88 v1(72.84,90.62) ; v1(72.84,90.62) 72.59,90.37 ; v1(72.84,90.62) 73.1,90.37 ; v1(72.84,90.62) 73.1,90.88 ; 78.94,95.96 v1(79.19,95.7) ; v1(79.19,95.7) 78.94,95.45 ; v1(79.19,95.7) 79.45,95.96 ; v1(79.19,95.7) 79.45,95.45 ; 7.26,2.03 U1.3 ; U1.3 8.74,2.03 ; U1.3 8,3.07 ; U1.3 8,0.99 ; U19.10 87.48,68.23 ; U19.10 85.59,66.34 ; U19.10 87.48,64.45 ; U19.10 89.37,66.34 ; 51,90.37 v1(51.25,90.62) ; v1(51.25,90.62) 51.51,90.37 ; v1(51.25,90.62) 51,90.88 ; v1(51.25,90.62) 51.51,90.88 ; v1(43.63,67.76) 43.89,68.02 ; v1(43.63,67.76) 43.38,67.51 ; v1(43.63,67.76) 43.38,68.02 ; v1(43.63,67.76) 43.89,67.51 ; v1(52.52,10.61) 52.78,10.36 ; v1(52.52,10.61) 52.78,10.87 ; v1(52.52,10.61) 52.27,10.36 ; v1(52.52,10.61) 52.27,10.87 ; v1(52.52,75.38) 52.78,75.13 ; v1(52.52,75.38) 52.78,75.64 ; v1(52.52,75.38) 52.27,75.13 ; v1(52.52,75.38) 52.27,75.64 ; v1(41.09,36.01) 41.35,35.76 ; v1(41.09,36.01) 40.84,36.27 ; v1(41.09,36.01) 41.35,36.27 ; v1(41.09,36.01) 40.84,35.76 ; v1(8.07,90.62) 8.33,90.88 ; v1(8.07,90.62) 7.82,90.88 ; v1(8.07,90.62) 7.82,90.37 ; v1(8.07,90.62) 8.33,90.37 ; 33.22,4.52 v1(33.47,4.26) ; v1(33.47,4.26) 33.22,4.01 ; v1(33.47,4.26) 33.73,4.01 ; v1(33.47,4.26) 33.73,4.52 ; 34.49,22.3 v1(34.74,22.04) ; v1(34.74,22.04) 34.49,21.79 ; v1(34.74,22.04) 35,22.3 ; v1(34.74,22.04) 35,21.79 ; v1(65.22,41.09) 65.48,40.84 ; v1(65.22,41.09) 64.97,41.35 ; v1(65.22,41.09) 65.48,41.35 ; v1(65.22,41.09) 64.97,40.84 ; v1(1.72,42.36) 1.98,42.11 ; v1(1.72,42.36) 1.47,42.62 ; v1(1.72,42.36) 1.98,42.62 ; v1(1.72,42.36) 1.47,42.11 ; v1(38.55,70.3) 38.81,70.05 ; v1(38.55,70.3) 38.3,70.56 ; v1(38.55,70.3) 38.3,70.05 ; v1(38.55,70.3) 38.81,70.56 ; 4.01,83.26 v1(4.26,83) ; v1(4.26,83) 4.01,82.75 ; v1(4.26,83) 4.52,83.26 ; v1(4.26,83) 4.52,82.75